# Altium PCB fmuvxX-baseT1.PcbDoc (part 2 of 5) (continued)
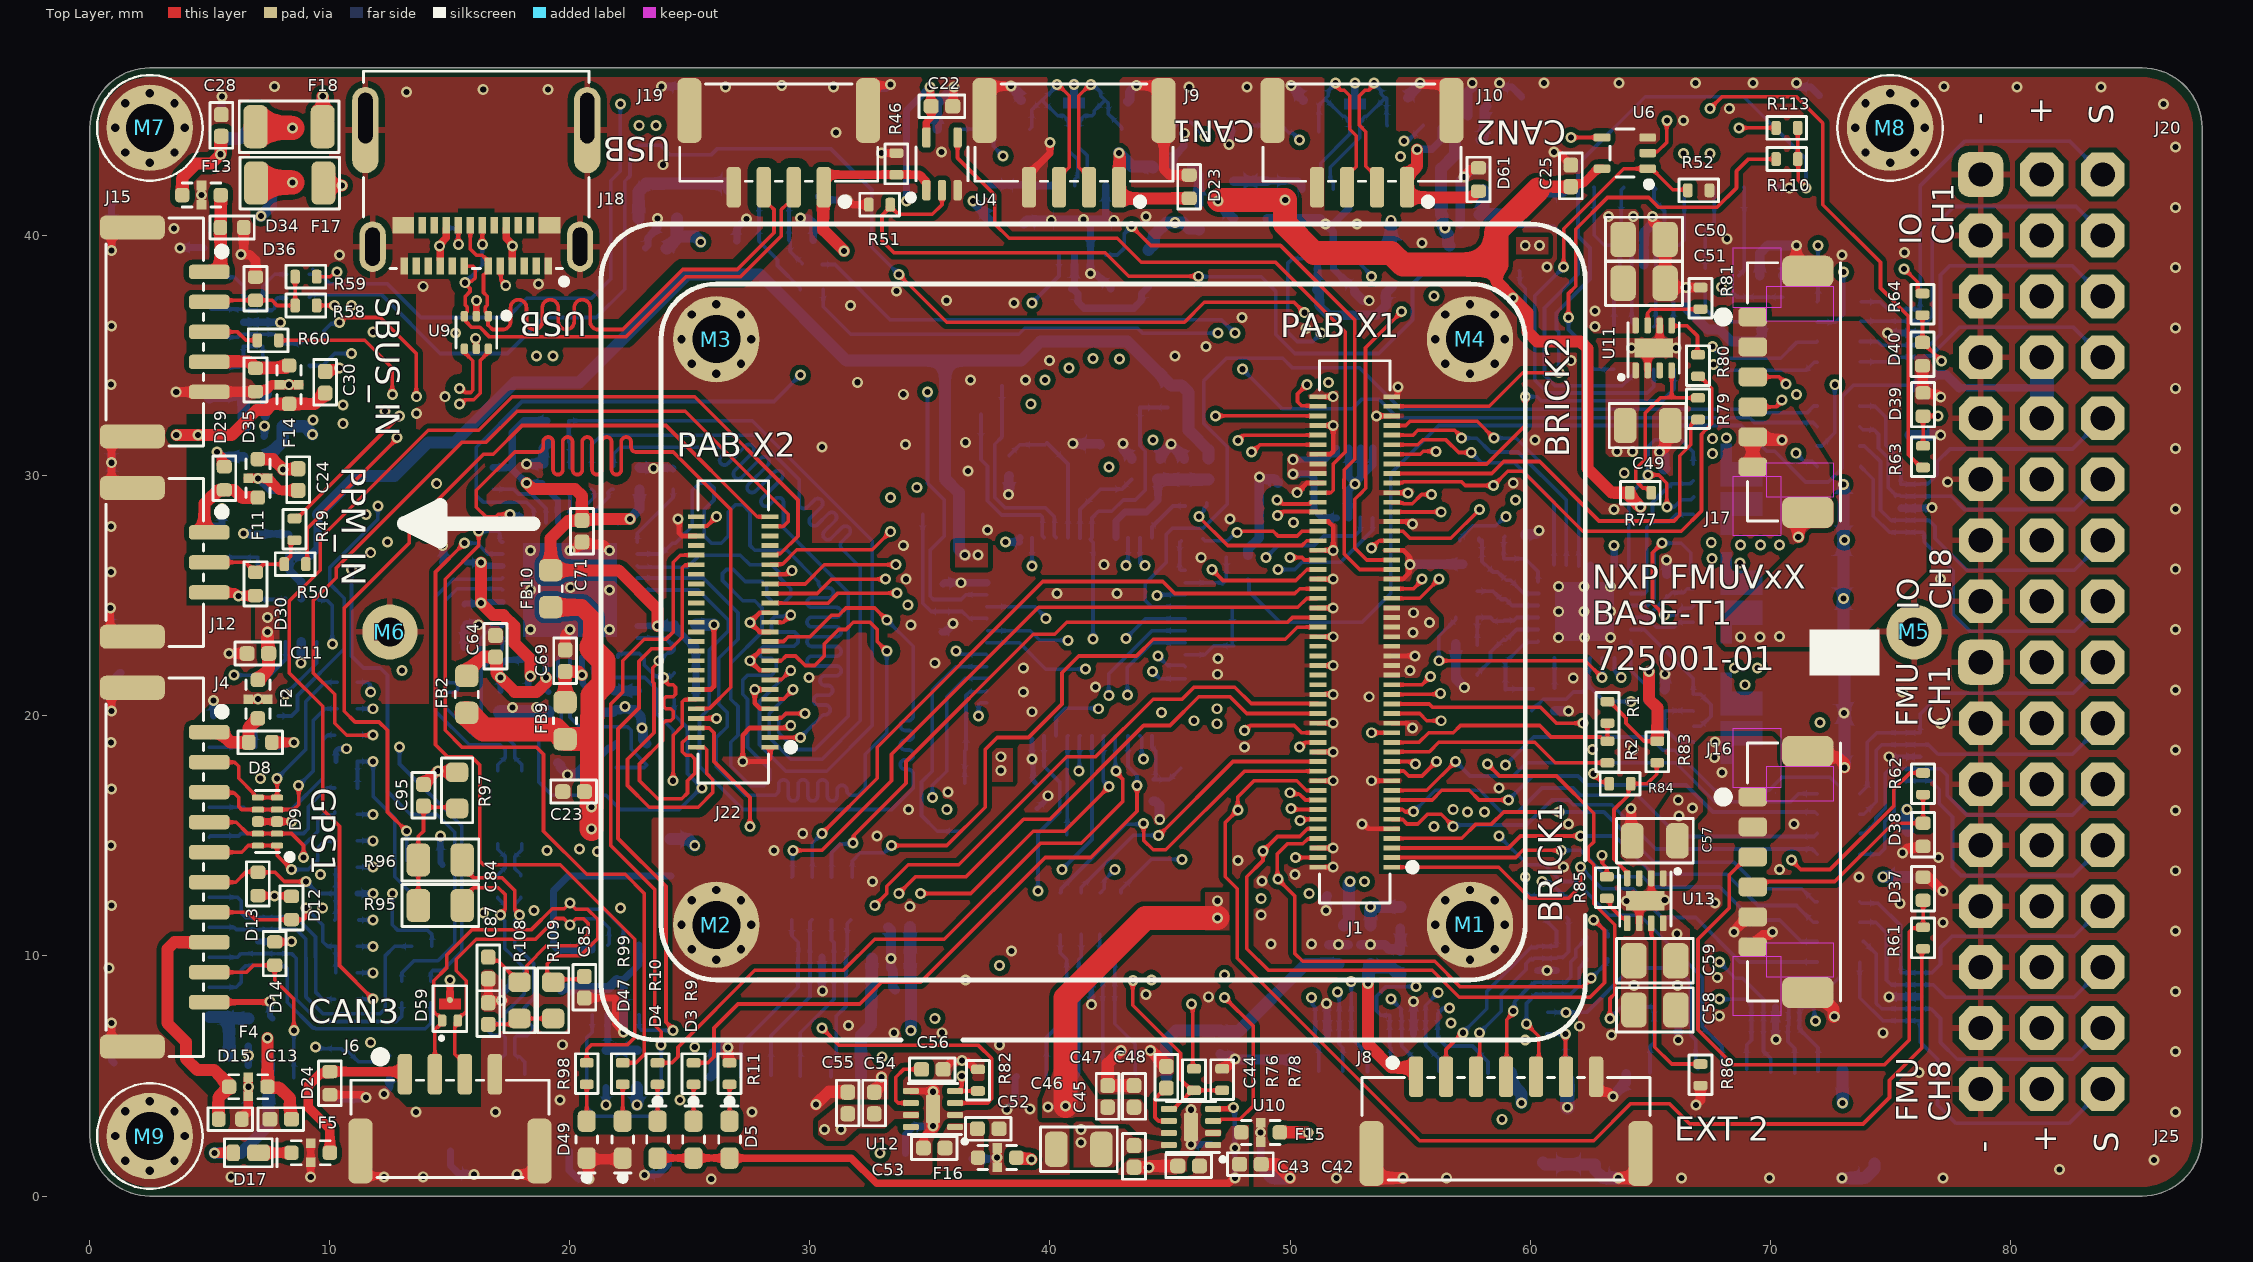
[diagram p0: Top Layer view]
## Part data (continued)
C93 C94: library part CAP_0U1_50V_X7R_0402, Manufacturer="TDK Corporation", Manufacturer Part Number=C1005X7R1H104K050BB, Operating Temperature="-55°C ~ 125°C", Supplier Part Number 1=445-5932-1-ND, Tolerance=±10%, Voltage - Rated=50V, Category=Capacitors, ComponentLink1Description=https://www.digikey.com/en/products/detail/tdk-corporation/C1005X7R1H104K050BB/2443410, ComponentLink1URL=https://www.digikey.com/en/products/detail/tdk-corporation/C1005X7R1H104K050BB/2443410, Packaging="Cut Tape (CT)", Part Status=Active, Pricing 1="1=0.12 (USD)", Stock 1=4733244, Supplier 1=Digi-Key
D1 D2 D7 D9 D11 D19 D21 D26 D27 D33 D43 D44 D45 D46 D53 D54: library part DIODE_TVS_4X_10UDFN, Manufacturer="ON Semiconductor", Manufacturer Part Number=ESD7104MUTAG, Operating Temperature="-55°C ~ 125°C (TJ)", Supplier Part Number 1=ESD7104MUTAGOSCT-ND, Category="Circuit Protection", ComponentLink1Description=https://www.digikey.com/product-detail/en/on-semiconductor/ESD7104MUTAG/ESD7104MUTAGOSCT-ND/3487538, ComponentLink1URL=https://www.digikey.com/product-detail/en/on-semiconductor/ESD7104MUTAG/ESD7104MUTAGOSCT-ND/3487538, Packaging="Cut Tape (CT)", Part Status=Active, Pricing 1="1=0.63, 10=0.541, 100=0.40370, 500=0.31716, 1000=0.24508 (USD)", Stock 1=5750, Supplier 1=Digi-Key
D3: library part DIODE_LED_BLUE_0603, Color=BLUE, Manufacturer="Lite-On Inc.", Manufacturer Part Number=LTST-C191TBKT, Supplier Part Number 1=160-1647-1-ND, Category=Optoelectronics, ComponentLink1Description=http://optoelectronics.liteon.com/upload/download/DS22-2000-228/LTST-C191KGKT.PDF, ComponentLink1URL=http://optoelectronics.liteon.com/upload/download/DS22-2000-228/LTST-C191KGKT.PDF, ComponentLink2Description=https://www.digikey.com/product-detail/en/lite-on-inc/LTST-C191TBKT/160-1647-1-ND/573587, ComponentLink2URL=https://www.digikey.com/product-detail/en/lite-on-inc/LTST-C191TBKT/160-1647-1-ND/573587, Packaging="Cut Tape (CT)", Part Status=Active, Pricing 1="1=0.53, 10=0.384, 25=0.2964, 100=0.196 (USD)", Stock 1=403566, Supplier 1=Digi-Key
D4 D49: library part DIODE_LED_ORANGE_0603, Color=ORANGE, Manufacturer="Lite-On Inc.", Manufacturer Part Number=LTST-C191KFKT, Supplier Part Number 1=160-1445-1-ND, Category=Optoelectronics, ComponentLink1Description=http://optoelectronics.liteon.com/upload/download/DS22-2000-228/LTST-C191KGKT.PDF, ComponentLink1URL=http://optoelectronics.liteon.com/upload/download/DS22-2000-228/LTST-C191KGKT.PDF, ComponentLink2Description=https://www.digikey.com/product-detail/en/lite-on-inc/LTST-C191KFKT/160-1445-1-ND/386832, ComponentLink2URL=https://www.digikey.com/product-detail/en/lite-on-inc/LTST-C191KFKT/160-1445-1-ND/386832, Packaging="Cut Tape (CT)", Part Status=Active, Pricing 1="1=0.34, 10=0.253, 25=0.1872, 100=0.1353 (USD)", Stock 1=146932, Supplier 1=Digi-Key
D5 D47: library part DIODE_LED_GREEN_0603, Color=GREEN, Manufacturer="Lite-On Inc.", Manufacturer Part Number=LTST-C191KGKT, Supplier Part Number 1=160-1446-1-ND, Category=Optoelectronics, ComponentLink1Description=http://optoelectronics.liteon.com/upload/download/DS22-2000-228/LTST-C191KGKT.PDF, ComponentLink1URL=http://optoelectronics.liteon.com/upload/download/DS22-2000-228/LTST-C191KGKT.PDF, ComponentLink2Description=https://www.digikey.com/product-detail/en/lite-on-inc/LTST-C191KGKT/160-1446-1-ND/386834, ComponentLink2URL=https://www.digikey.com/product-detail/en/lite-on-inc/LTST-C191KGKT/160-1446-1-ND/386834, Packaging="Cut Tape (CT)", Part Status=Active, Pricing 1="1=0.34, 10=0.253, 25=0.1872, 100=0.1353 (USD)", Stock 1=2166001, Supplier 1=Digi-Key
D6 D8 D10 D12 D13 D14 D15 D18 D20 D22 D23 D24 D25 D28 D29 D30 D31 D32 D34 D35 D36 D37 D38 D39 D40 D55 D56 D57 D61: library part DIODE_TVS_0402, Manufacturer="Littelfuse Inc.", Manufacturer Part Number=PESD0402-140, Operating Temperature="-55°C ~ 125°C (TJ)", Supplier Part Number 1=PESD0402-140CT-ND, Category="Circuit Protection", ComponentLink1Description=https://www.digikey.com/products/en/circuit-protection/tvs-diodes/144?k=PESD0402-140&k=&pkeyword=PESD0402-140&pv7=2&sf=0&quantity=&ColumnSort=0&page=1&pageSize=25, ComponentLink1URL=https://www.digikey.com/products/en/circuit-protection/tvs-diodes/144?k=PESD0402-140&k=&pkeyword=PESD0402-140&pv7=2&sf=0&quantity=&ColumnSort=0&page=1&pageSize=25, Packaging="Cut Tape (CT)", Part Status=Active, Pricing 1="10000=0.13154, 30000=0.12096 (USD)", Stock 1=281442, Supplier 1=Digi-Key
D16 D17 D60: library part DIODE_SCHOTTKY_20V_2A_DFN1608D-2, Current=2A, Manufacturer="Nexperia USA Inc.", Manufacturer Part Number=PMEG2020EPK,315, Supplier Part Number 1=1727-1338-1-ND, Voltage=20V, Category="Discrete Semiconductor Products", ComponentLink1Description=https://www.digikey.com/en/products/detail/nexperia-usa-inc/PMEG2020EPK-315/4020972, ComponentLink1URL=https://www.digikey.com/en/products/detail/nexperia-usa-inc/PMEG2020EPK-315/4020972, Packaging="Cut Tape (CT)", Part Status=Active, Pricing 1="1=0.51 (USD)", Stock 1=0, Supplier 1=Digi-Key
D41 D42: library part DIODE_SCHOTTKY_LOW_VF_40V_500MA_SOD323F, Current=500mA, Manufacturer="Nexperia USA Inc.", Manufacturer Part Number=PMEG4005EJ,115, Supplier Part Number 1=1727-3877-1-ND, Voltage=40V, Category="Discrete Semiconductor Products", ComponentLink1Description=https://www.digikey.com/products/en/discrete-semiconductor-products/diodes-rectifiers-single/280?k=PMEG4005EJ%2C115&k=&pkeyword=PMEG4005EJ%2C115&pv7=2&sf=0&quantity=&ColumnSort=0&page=1&pageSize=25, ComponentLink1URL=https://www.digikey.com/products/en/discrete-semiconductor-products/diodes-rectifiers-single/280?k=PMEG4005EJ%2C115&k=&pkeyword=PMEG4005EJ%2C115&pv7=2&sf=0&quantity=&ColumnSort=0&page=1&pageSize=25, Packaging="Cut Tape (CT)", Part Status=Active, Pricing 1="1=0.5, 10=0.38, 100=0.2414, 500=0.16946, 1000=0.1335 (USD)", Stock 1=0, Supplier 1=Digi-Key
D48: library part DIODE_TVS_DUAL_ETHERNET_TO236AB, Manufacturer="Nexperia USA Inc.", Manufacturer Part Number=PESD2ETH1G-TR, Supplier Part Number 1=1727-PESD2ETH1G-CT-ND, Category="Discrete Semiconductor Products", ComponentLink1Description=https://www.digikey.com/en/products/detail/nexperia-usa-inc/PESD2ETH1G-TR/11487055?s=N4IgTCBcDaIA4FMDOATMCAuALAjAcwFoMQBdAXyA, ComponentLink1URL=https://www.digikey.com/en/products/detail/nexperia-usa-inc/PESD2ETH1G-TR/11487055?s=N4IgTCBcDaIA4FMDOATMCAuALAjAcwFoMQBdAXyA, Packaging="Cut Tape (CT)", Part Status=Active, Pricing 1="1=0.40 (USD)", Stock 1=0, Supplier 1=Digi-Key
D52: library part DIODE_SCHOTTKY_BAS70_SOD523_SMT, Current=70mA, Manufacturer=STMicroelectronics, Manufacturer Part Number=BAS70KFILM, Supplier Part Number 1=497-5695-1-ND, Voltage=70V, Category="Discrete Semiconductor Products", ComponentLink1Description=https://www.digikey.com/product-detail/en/stmicroelectronics/BAS70KFILM/497-5695-1-ND/1299948, ComponentLink1URL=https://www.digikey.com/product-detail/en/stmicroelectronics/BAS70KFILM/497-5695-1-ND/1299948, Packaging="Cut Tape (CT)", Part Status=Active, Pricing 1="1=0.28, 10=0.23, 100=0.122, 500=0.08028, 1000=0.05459 (USD)", Stock 1=20067, Supplier 1=Digi-Key
D58 D59 D62: library part DIODE_TVS_DUAL_24VWM_42VC_DFN1110D-3, Current=2.6A, Manufacturer="Nexperia USA Inc.", Manufacturer Part Number=PESD2CANFD24V-QBZ, Supplier Part Number 1=1727-PESD2CANFD24V-QBZCT-ND, Voltage=42V, Category="Discrete Semiconductor Products", ComponentLink1Description=https://www.digikey.com/en/products/detail/nexperia-usa-inc/PESD2CANFD24V-QBZ/13898295?s=N4IgTCBcDaIAoFEDKARMBhAggOQGJoBYA1AWgEUAhEAXQF8g, ComponentLink1URL=https://www.digikey.com/en/products/detail/nexperia-usa-inc/PESD2CANFD24V-QBZ/13898295?s=N4IgTCBcDaIAoFEDKARMBhAggOQGJoBYA1AWgEUAhEAXQF8g, Packaging="Cut Tape (CT)", Part Status=Active, Pricing 1="1=0.44 (USD)", Stock 1=11955, Supplier 1=Digi-Key
F1 F2 F3 F4 F5 F6 F7 F8 F9 F10 F11 F12 F13 F14 F15 F16 F21: library part FILTER_0.1uF_16V_2A_NO_VIA_0603, Manufacturer="Murata Electronics North America", Manufacturer Part Number=NFM18PC104R1C3D, Operating Temperature="-55°C ~ 125°C", Supplier Part Number 1=490-6969-1-ND, Tolerance=±20%, Voltage - Rated=16V, Category=Filters, ComponentLink1Description=https://www.digikey.com/products/en/filters/feed-through-capacitors/845?k=NFM18PC104R1C3D&k=&pkeyword=NFM18PC104R1C3D&pv7=2&sf=0&quantity=&ColumnSort=0&page=1&pageSize=25, ComponentLink1URL=https://www.digikey.com/products/en/filters/feed-through-capacitors/845?k=NFM18PC104R1C3D&k=&pkeyword=NFM18PC104R1C3D&pv7=2&sf=0&quantity=&ColumnSort=0&page=1&pageSize=25, Packaging="Cut Tape (CT)", Part Status=Active, Pricing 1="1=0.19, 10=0.173, 25=0.1652, 50=0.1598, 100=0.1544, 250=0.1464, 500=0.12246, 1000=0.09503 (USD)", Stock 1=172860, Supplier 1=Digi-Key
F17 F18: library part FUSE_PTC_250MA_SMD, Current Hold=250mA, Manufacturer="Bel Fuse Inc.", Manufacturer Part Number=0ZCJ0025FF2E, Operating Temperature="-40°C ~ 85°C", Package / Case="1206 (3216 Metric), Concave", Supplier Part Number 1=507-1798-1-ND, Voltage - Max=16V, Approvals="cURus, TUV", Category="Circuit Protection", ComponentLink1Description=https://www.digikey.com/products/en/circuit-protection/ptc-resettable-fuses/150?k=ZCJ0025FF2E&k=&pkeyword=ZCJ0025FF2E&pv7=2&sf=0&quantity=&ColumnSort=0&page=1&pageSize=25, ComponentLink1URL=https://www.digikey.com/products/en/circuit-protection/ptc-resettable-fuses/150?k=ZCJ0025FF2E&k=&pkeyword=ZCJ0025FF2E&pv7=2&sf=0&quantity=&ColumnSort=0&page=1&pageSize=25, Mounting Type="Surface Mount", Packaging="Cut Tape (CT)", Part Status=Active, Pricing 1="1=0.21, 5=0.2, 10=0.191, 50=0.1706, 100=0.1588, 250=0.14112, 500=0.1176, 1000=0.11172 (USD)", RoHS="RoHS Compliant", Size / Dimension="0.128\" L x 0.065\" W (3.25mm x 1.65mm)", Stock 1=24334, Supplier 1=Digi-Key, Thickness (Max)="0.047\" (1.20mm)", Type=Polymeric
F19: library part FILTER_CMC_100uH_150mA_2LN_SMD, Current - Rated=150mA, Manufacturer="TDK Corporation", Manufacturer Part Number=ACT1210D-101-2P-TL00, Operating Temperature="-55°C ~ 150°C", Supplier Part Number 1=445-ACT1210D-101-2P-TL00CT-ND, Voltage - Rated=5V, Category=Filters, ComponentLink1Description=https://www.digikey.com/en/products/detail/tdk-corporation/act1210d-101-2p-tl00/13672016, ComponentLink1URL=https://www.digikey.com/en/products/detail/tdk-corporation/act1210d-101-2p-tl00/13672016, Packaging="Cut Tape (CT)", Part Status=Active, Pricing 1="1=1.88 (USD)", Stock 1=9046, Supplier 1=Digi-Key
FB1: library part IND_FERRITE_600@100M_300mA_0402, Current=300mA, Manufacturer="Murata Electronics North America", Manufacturer Part Number=BLM15HG601SN1D, Operating Temperature="-55°C ~ 125°C", Supplier Part Number 1=490-3998-1-ND, Category=Inductors, ComponentLink1Description=https://www.digikey.com/products/en?keywords=490-3998-1-ND, ComponentLink1URL=https://www.digikey.com/products/en?keywords=490-3998-1-ND, Packaging="Cut Tape (CT)", Part Status=Active, Pricing 1="1=0.19, 10=0.145, 25=0.1204, 50=0.1036, 100=0.0933, 250=0.0788, 500=0.0705, 1000=0.06013 (USD)", Stock 1=330529, Supplier 1=Digi-Key
FB2 FB9 FB10: library part IND_FERRITE_600OHM@100M_500mA_0603, Current=500mA, Manufacturer="Murata Electronics North America", Manufacturer Part Number=BLM18AG601BH1D, Operating Temperature="-55°C ~ 150°C", Supplier Part Number 1=490-7809-1-ND, Category=Inductors, ComponentLink1Description=https://www.digikey.com/en/products/detail/murata-electronics/BLM18AG601BH1D/6156010?s=N4IgTCBcDaIEYBsC2BGAHAQwOYDYAMKcAFigCYgC6AvkA, ComponentLink1URL=https://www.digikey.com/en/products/detail/murata-electronics/BLM18AG601BH1D/6156010?s=N4IgTCBcDaIEYBsC2BGAHAQwOYDYAMKcAFigCYgC6AvkA, Packaging="Cut Tape (CT)", Part Status=Active, Pricing 1="1=0.12 (USD)", Stock 1=39046, Supplier 1=Digi-Key
FB3 FB4 FB5 FB6 FB7 FB8: library part IND_FERRITE_120@100M_3A_0603, Current=3A, Manufacturer="Murata Electronics", Manufacturer Part Number=BLM18KG121TZ1D, Operating Temperature="-55°C ~ 125°C", Supplier Part Number 1=490-16500-1-ND, Category=Inductors, ComponentLink1Description=https://www.digikey.com/en/products/detail/murata-electronics/BLM18KG121TZ1D/7363244?s=N4IgTCBcDaIEYBsC2BGAHAawOYrCgLgF4ogC6AvkA, ComponentLink1URL=https://www.digikey.com/en/products/detail/murata-electronics/BLM18KG121TZ1D/7363244?s=N4IgTCBcDaIEYBsC2BGAHAawOYrCgLgF4ogC6AvkA, Packaging="Cut Tape (CT)", Part Status=Active, Pricing 1="1=0.11 (USD)", Stock 1=0, Supplier 1=Digi-Key
J1: library part CONN_RCPT_2X50_RECPT_0.4MM_SMD, Manufacturer="Hirose Electric Co Ltd", Manufacturer Part Number=DF40HC(3.0)-100DS-0.4V(58), Operating Temperature="-65°C ~ 85°C", Supplier Part Number 1=H124602CT-ND, Category="Connectors, Interconnects", ComponentLink1Description=https://www.digikey.com/products/en/connectors-interconnects/rectangular-connectors-arrays-edge-type-mezzanine-board-to-board/308?k=df40hc%283.0%29-100&k=&pkeyword=df40hc%283.0%29-100&sv=0&pv7=2&sf=0&quantity=&ColumnSort=0&page=1&pageSize=25, ComponentLink1URL=https://www.digikey.com/products/en/connectors-interconnects/rectangular-connectors-arrays-edge-type-mezzanine-board-to-board/308?k=df40hc%283.0%29-100&k=&pkeyword=df40hc%283.0%29-100&sv=0&pv7=2&sf=0&quantity=&ColumnSort=0&page=1&pageSize=25, Mated Stacking Heights=3mm, Mounting Type="Surface Mount", Number of Positions=100, Number of Rows=2, Packaging="Cut Tape (CT)", Part Status=Active, Pitch="0.016\" (0.40mm)", Pricing 1="1=2.75 (USD)", Stock 1=2220, Supplier 1=Digi-Key, System=Connector
J2 J23: library part CONN_JST_SH_10PIN_RA_SMT, Manufacturer="JST Sales America Inc.", Manufacturer Part Number=SM10B-SRSS-TB(LF)(SN), Operating Temperature="-25°C ~ 85°C", Supplier Part Number 1=455-1810-1-ND, Voltage - Rated=50V, Category="Connectors, Interconnects", ComponentLink1Description=https://www.digikey.com/products/en/connectors-interconnects/rectangular-connectors-headers-male-pins/314?k=SM10B-SRSS&k=&pkeyword=SM10B-SRSS&pv1989=0&sf=0&FV=ffe0013a%2C1c0002&quantity=&ColumnSort=0&page=1&pageSize=25, ComponentLink1URL=https://www.digikey.com/products/en/connectors-interconnects/rectangular-connectors-headers-male-pins/314?k=SM10B-SRSS&k=&pkeyword=SM10B-SRSS&pv1989=0&sf=0&FV=ffe0013a%2C1c0002&quantity=&ColumnSort=0&page=1&pageSize=25, Packaging="Cut Tape (CT)", Part Status=Active, Pricing 1="1=1.06, 10=9.32, 100=0.8037, 500=0.65758, 1000=0.58452 (USD)", Stock 1=62595, Supplier 1=Digi-Key, System=Connector
J3 J5 J7: library part CONN_JST_GH_6PIN_RA_SMT, Manufacturer="JST Sales America Inc.", Manufacturer Part Number=SM06B-GHS-TB(LF)(SN), Operating Temperature="-25°C ~ 85°C", Supplier Part Number 1=455-1568-1-ND, Voltage - Rated=50V, Category="Connectors, Interconnects", ComponentLink1Description=https://www.digikey.com/products/en/connectors-interconnects/rectangular-connectors-headers-male-pins/314?k=sm06b-ghs&k=&pkeyword=sm06b-ghs&pv7=2&sf=0&quantity=&ColumnSort=0&page=1&pageSize=25, ComponentLink1URL=https://www.digikey.com/products/en/connectors-interconnects/rectangular-connectors-headers-male-pins/314?k=sm06b-ghs&k=&pkeyword=sm06b-ghs&pv7=2&sf=0&quantity=&ColumnSort=0&page=1&pageSize=25, Packaging="Cut Tape (CT)", Part Status=Active, Pricing 1="1=0.56, 10=0.524, 100=0.4019, 500=0.34948, 1000=0.28832 (USD)", Stock 1=86653, Supplier 1=Digi-Key, System=Connector
J4: library part CONN_JST_GH_10PIN_RA_SMT, Manufacturer="JST Sales America Inc.", Manufacturer Part Number=SM10B-GHS-TB(LF)(SN), Operating Temperature="-25°C ~ 85°C", Supplier Part Number 1=455-1572-1-ND, Voltage - Rated=50V, Category="Connectors, Interconnects", ComponentLink1Description=https://www.digikey.com/products/en/connectors-interconnects/rectangular-connectors-headers-male-pins/314?k=sm10b-gh&k=&pkeyword=sm10b-gh&pv7=2&sf=0&quantity=&ColumnSort=0&page=1&pageSize=25, ComponentLink1URL=https://www.digikey.com/products/en/connectors-interconnects/rectangular-connectors-headers-male-pins/314?k=sm10b-gh&k=&pkeyword=sm10b-gh&pv7=2&sf=0&quantity=&ColumnSort=0&page=1&pageSize=25, Packaging="Cut Tape (CT)", Part Status=Active, Pricing 1="1=0.67, 10=0.631, 100=0.4838, 500=0.42068, 1000=0.34705 (USD)", Stock 1=58307, Supplier 1=Digi-Key, System=Connector
J6 J9 J10 J19 J24: library part CONN_JST_GH_4PIN_RA_SMT, Manufacturer="JST Sales America Inc.", Manufacturer Part Number=SM04B-GHS-TB(LF)(SN), Operating Temperature="-25°C ~ 85°C", Supplier Part Number 1=455-1566-1-ND, Voltage Rating=50V, Category="Connectors, Interconnects", ComponentLink1Description=https://www.digikey.com/products/en/connectors-interconnects/rectangular-connectors-headers-male-pins/314?k=SM04B-GHS-TB%28LF%29%28SN%29-&k=&pkeyword=SM04B-GHS-TB%28LF%29%28SN%29-&pv7=2&sf=0&quantity=&ColumnSort=0&page=1&pageSize=25, ComponentLink1URL=https://www.digikey.com/products/en/connectors-interconnects/rectangular-connectors-headers-male-pins/314?k=SM04B-GHS-TB%28LF%29%28SN%29-&k=&pkeyword=SM04B-GHS-TB%28LF%29%28SN%29-&pv7=2&sf=0&quantity=&ColumnSort=0&page=1&pageSize=25, Packaging="Cut Tape (CT)", Part Status=Active, Pricing 1="1=0.45, 10=0.423, 100=0.3244, 500=0.28212, 1000=0.23274 (USD)", Stock 1=109892, Supplier 1=Digi-Key, System=Connector
J8: library part CONN_JST_GH_7PIN_RA_SMT, Manufacturer="JST Sales America Inc.", Manufacturer Part Number=SM07B-GHS-TB(LF)(SN), Operating Temperature="-25°C ~ 85°C", Supplier Part Number 1=455-1569-1-ND, Voltage - Rated=50V, Category="Connectors, Interconnects", ComponentLink1Description=https://www.digikey.com/product-detail/en/jst-sales-america-inc/SM07B-GHS-TB-LF-SN/455-1569-1-ND/807837, ComponentLink1URL=https://www.digikey.com/product-detail/en/jst-sales-america-inc/SM07B-GHS-TB-LF-SN/455-1569-1-ND/807837, Packaging="Cut Tape (CT)", Part Status=Active, Pricing 1="1=0.59, 10=0.548, 100=0.4205, 500=0.36564 1000=0.30165 (USD)", Stock 1=37832, Supplier 1=Digi-Key, System=Connector
J11: library part CONN_JST_GH_11PIN_RA_SMT, Manufacturer="JST Sales America Inc.", Manufacturer Part Number=SM11B-GHS-TB(LF)(SN), Operating Temperature="-25°C ~ 85°C", Supplier Part Number 1=455-1573-1-ND, Voltage - Rated=50V, Category="Connectors, Interconnects", ComponentLink1Description=https://www.digikey.com/products/en/connectors-interconnects/rectangular-connectors-headers-male-pins/314?k=sm11b-ghs&k=&pkeyword=sm11b-ghs&pv7=2&sf=0&quantity=&ColumnSort=0&page=1&pageSize=25, ComponentLink1URL=https://www.digikey.com/products/en/connectors-interconnects/rectangular-connectors-headers-male-pins/314?k=sm11b-ghs&k=&pkeyword=sm11b-ghs&pv7=2&sf=0&quantity=&ColumnSort=0&page=1&pageSize=25, Packaging="Cut Tape (CT)", Part Status=Active, Pricing 1="1=0.67, 10=0.631, 100=0.4838, 500=0.42068, 1000=0.34705 (USD)", Stock 1=659, Supplier 1=Digi-Key, System=Connector
J12 J13: library part CONN_JST_GH_3PIN_RA_SMT, Manufacturer="JST Sales America Inc.", Manufacturer Part Number=SM03B-GHS-TB(LF)(SN), Operating Temperature="-25°C ~ 85°C", Supplier Part Number 1=455-1565-1-ND, Voltage - Rated=50V, Category="Connectors, Interconnects", ComponentLink1Description=https://www.digikey.com/products/en/connectors-interconnects/rectangular-connectors-headers-male-pins/314?k=sm03b-gh&k=&pkeyword=sm03b-gh&pv7=2&sf=0&quantity=&ColumnSort=0&page=1&pageSize=25, ComponentLink1URL=https://www.digikey.com/products/en/connectors-interconnects/rectangular-connectors-headers-male-pins/314?k=sm03b-gh&k=&pkeyword=sm03b-gh&pv7=2&sf=0&quantity=&ColumnSort=0&page=1&pageSize=25, Packaging="Cut Tape (CT)", Part Status=Active, Pricing 1="1=0.44, 10=0.413, 100=0.316, 500=0.27502, 1000=0.22689 (USD)", Stock 1=3338, Supplier 1=Digi-Key, System=Connector
J14: library part CONN_JST_GH_8PIN_RA_SMT, Manufacturer="JST Sales America Inc.", Manufacturer Part Number=SM08B-GHS-TB(LF)(SN), Operating Temperature="-25°C ~ 85°C", Supplier Part Number 1=455-1570-1-ND, Voltage - Rated=50V, Category="Connectors, Interconnects", ComponentLink1Description=https://www.digikey.com/products/en/connectors-interconnects/rectangular-connectors-headers-male-pins/314?k=sm08b-GHS&k=&pkeyword=sm08b-GHS&sv=0&pv7=2&sf=0&quantity=&ColumnSort=0&page=1&pageSize=25, ComponentLink1URL=https://www.digikey.com/products/en/connectors-interconnects/rectangular-connectors-headers-male-pins/314?k=sm08b-GHS&k=&pkeyword=sm08b-GHS&sv=0&pv7=2&sf=0&quantity=&ColumnSort=0&page=1&pageSize=25, Packaging="Cut Tape (CT)", Part Status=Active, Pricing 1="1=0.59, 10=0.549, 100=0.4208, 500=0.36594, 1000=0.30191 (USD)", Stock 1=90523, Supplier 1=Digi-Key, System=Connector
J15: library part CONN_JST_GH_5PIN_RA_SMT, Manufacturer="JST Sales America Inc.", Manufacturer Part Number=SM05B-GHS-TB(LF)(SN), Operating Temperature="-25°C ~ 85°C", Supplier Part Number 1=455-1567-1-ND, Voltage - Rated=50V, Category="Connectors, Interconnects", ComponentLink1Description=https://www.digikey.com/products/en/connectors-interconnects/rectangular-connectors-headers-male-pins/314?k=sm05b-gh&k=&pkeyword=sm05b-gh&pv7=2&sf=0&quantity=&ColumnSort=0&page=1&pageSize=25, ComponentLink1URL=https://www.digikey.com/products/en/connectors-interconnects/rectangular-connectors-headers-male-pins/314?k=sm05b-gh&k=&pkeyword=sm05b-gh&pv7=2&sf=0&quantity=&ColumnSort=0&page=1&pageSize=25, Packaging="Cut Tape (CT)", Part Status=Active, Pricing 1="1=0.44, 10=0.413, 100=0.3163, 500=0.27502, 1000=0.22689 (USD)", Stock 1=32934, Supplier 1=Digi-Key, System=Connector
J16 J17: library part CONN_HDR_1X6_RCPT_1.25MM_VERT_SMT, Manufacturer="Molex, LLC", Manufacturer Part Number=5055680681, Operating Temperature="-40°C ~ 105°C", Supplier Part Number 1=WM26835CT-ND, Voltage - Rated=50V, Category="Connectors, Interconnects", ComponentLink1Description=https://www.digikey.com/products/en/connectors-interconnects/rectangular-connectors-headers-male-pins/314?k=5055680681&k=&pkeyword=5055680681&sv=0&pv7=2&sf=0&quantity=&ColumnSort=0&page=1&pageSize=25, ComponentLink1URL=https://www.digikey.com/products/en/connectors-interconnects/rectangular-connectors-headers-male-pins/314?k=5055680681&k=&pkeyword=5055680681&sv=0&pv7=2&sf=0&quantity=&ColumnSort=0&page=1&pageSize=25, ID="MICRO-LOCK PLUS", Packaging="Cut Tape (CT)", Part Status=Active, Pricing 1="1=1.05 (USD)", Stock 1=4793, Supplier 1=Digi-Key, System=Connector
J18: library part CONN_RCPT_24POS_USB-C_RA-3_SMD, Manufacturer="Molex, LLC", Manufacturer Part Number=2012670005, Operating Temperature="-40°C ~ 105°C", Supplier Part Number 1=WM17992CT-ND, Voltage - Rated=30VAC/DC, Category="Connectors, Interconnects", ComponentLink1Description=https://www.digikey.com/product-detail/en/molex/2012670005/WM17992CT-ND/8593492, ComponentLink1URL=https://www.digikey.com/product-detail/en/molex/2012670005/WM17992CT-ND/8593492, ID=USB-C, Packaging="Cut Tape (CT)", Part Status=Active, Pricing 1="1=2.58 (USD)", Stock 1=58789, Supplier 1=Digi-Key, System=Connector
J20 J25: library part CONN_HDR_3X8RA_TH, Manufacturer=Samtec, Manufacturer Part Number=TSW-108-08-T-T-RA, Operating Temperature="-55°C ~ 125°C", Supplier Part Number 1=TSW-108-08-T-T-RA-ND, Voltage - Rated=-, Category="Connectors, Interconnects", ComponentLink1Description=https://www.digikey.com/product-detail/en/samtec-inc/TSW-108-08-T-T-RA/TSW-108-08-T-T-RA-ND/7869165, ComponentLink1URL=https://www.digikey.com/product-detail/en/samtec-inc/TSW-108-08-T-T-RA/TSW-108-08-T-T-RA-ND/7869165, Packaging=Bulk, Part Status=Active, Pricing 1="1=1.53 (USD)", Stock 1=302, Supplier 1=Digi-Key, System=Connector
J21: library part CONN_JST_GH_2PIN_RA_SMT, Manufacturer="JST Sales America Inc.", Manufacturer Part Number=SM02B-GHS-TB(LF)(SN), Operating Temperature="-25°C ~ 85°C", Supplier Part Number 1=455-1564-1-ND, Voltage - Rated=50V, Category="Connectors, Interconnects", ComponentLink1Description=https://www.digikey.com/products/en/connectors-interconnects/rectangular-connectors-headers-male-pins/314?k=sm02b&k=&pkeyword=sm02b&sv=0&pv7=2&s=2395&pv1989=0&sf=0&FV=ffe0013a&quantity=&ColumnSort=0&page=1&pageSize=25, ComponentLink1URL=https://www.digikey.com/products/en/connectors-interconnects/rectangular-connectors-headers-male-pins/314?k=sm02b&k=&pkeyword=sm02b&sv=0&pv7=2&s=2395&pv1989=0&sf=0&FV=ffe0013a&quantity=&ColumnSort=0&page=1&pageSize=25, Packaging="Cut Tape (CT)", Part Status=Active, Pricing 1="1=0.44, 10=0.413, 100=0.316, 500=0.27502, 1000=0.22689 (USD)", Stock 1=90823, Supplier 1=Digi-Key, System=Connector
J22: library part CONN_RCPT_2X25_RECPT_0.4MM_SMD, Manufacturer="Hirose Electric Co Ltd", Manufacturer Part Number=DF40HC(3.0)-50DS-0.4V(51), Operating Temperature="-65°C ~ 85°C", Supplier Part Number 1=H11915CT-ND, Category="Connectors, Interconnects", ComponentLink1Description=https://www.digikey.com/products/en/connectors-interconnects/rectangular-connectors-arrays-edge-type-mezzanine-board-to-board/308?k=DF40HC%283.0%29-50DS-0.4V%2851%29&k=&pkeyword=DF40HC%283.0%29-50DS-0.4V%2851%29&sv=0&pv7=2&sf=0&quantity=&ColumnSort=0&page=1&pageSize=25, ComponentLink1URL=https://www.digikey.com/products/en/connectors-interconnects/rectangular-connectors-arrays-edge-type-mezzanine-board-to-board/308?k=DF40HC%283.0%29-50DS-0.4V%2851%29&k=&pkeyword=DF40HC%283.0%29-50DS-0.4V%2851%29&sv=0&pv7=2&sf=0&quantity=&ColumnSort=0&page=1&pageSize=25, Mated Stacking Heights=3mm, Mounting Type="Surface Mount", Number of Positions=50, Number of Rows=2, Packaging="Cut Tape (CT)", Part Status=Active, Pitch="0.016\" (0.40mm)", Pricing 1="1=1.05, 10=0.926, 25=0.8712, 50=0.835, 100=0.7986, 250=0.726, 500=0.6534, 1000=0.5808 (USD)", Stock 1=8712, Supplier 1=Digi-Key, System=Connector
M1 M2 M3 M4 M7 M8 M9: library part MOUNT_HOLE_2MM_3.6MM_8VIAS_TH, Category=Mechanical, ID=2.0MM
M5 M6: library part MOUNT_HOLE_1.2MM_TH, Category=Mechanical, ID=1.2MM
Q1: library part TRAN_MOSFET_N-CH_AO3400A_SMT, Current=5.7A, Manufacturer="Alpha & Omega Semiconductor Inc.", Manufacturer Part Number=AO3400A, Supplier Part Number 1=785-1000-1-ND, Voltage=30V, Category="Discrete Semiconductor Products", ComponentLink1Description=https://www.digikey.com/products/en/discrete-semiconductor-products/transistors-fets-mosfets-single/278?k=&pkeyword=&pv2068=u30V&pv608=2552&sf=0&FV=ffe00116%2Cfffc0311%2C1c0002&quantity=&ColumnSort=0&page=1&pageSize=25, ComponentLink1URL=https://www.digikey.com/products/en/discrete-semiconductor-products/transistors-fets-mosfets-single/278?k=&pkeyword=&pv2068=u30V&pv608=2552&sf=0&FV=ffe00116%2Cfffc0311%2C1c0002&quantity=&ColumnSort=0&page=1&pageSize=25, Packaging="Cut Tape (CT)", Part Status=Active, Pricing 1="1=0.49, 10=0.354, 100=0.2359, 500=0.14414, 1000=0.11356 (USD)", Stock 1=545345, Supplier 1=Digi-Key
Q2: library part TRAN_MOSFET_N-CH_BSS138W_SMT, Current=210mA, Manufacturer="ON Semiconductor", Manufacturer Part Number=BSS138W, Supplier Part Number 1=BSS138WCT-ND, Voltage=50V, Category="Discrete Semiconductor Products", ComponentLink1Description=https://www.digikey.com/product-detail/en/on-semiconductor/BSS138W/BSS138WCT-ND/3907886, ComponentLink1URL=https://www.digikey.com/product-detail/en/on-semiconductor/BSS138W/BSS138WCT-ND/3907886, Packaging="Cut Tape (CT)", Part Status=Active, Pricing 1="1=0.43 (USD)", Stock 1=2599, Supplier 1=Digi-Key
Q3 Q4 Q5: library part TRAN_MOSFET_DUAL_PCHANNEL_PowerPAK, Current - Continuous Drain (Id) @ 25°C=6A, Drain to Source Voltage (Vdss)=20V, Manufacturer="Vishay Siliconix", Manufacturer Part Number=SIS903DN-T1-GE3, Operating Temperature="-55°C ~ 150°C (TJ)", Supplier Part Number 1=SIS903DN-T1-GE3CT-ND, Category="Discrete Semiconductor Products", ComponentLink1Description=https://www.digikey.com/products/en/discrete-semiconductor-products/transistors-fets-mosfets-arrays/289?k=sis903dn&k=&pkeyword=sis903dn&sv=0&pv7=2&sf=0&quantity=&ColumnSort=0&page=1&pageSize=25, ComponentLink1URL=https://www.digikey.com/products/en/discrete-semiconductor-products/transistors-fets-mosfets-arrays/289?k=sis903dn&k=&pkeyword=sis903dn&sv=0&pv7=2&sf=0&quantity=&ColumnSort=0&page=1&pageSize=25, Packaging="Cut Tape (CT)", Part Status=Active, Pricing 1="1=1.01 (USD)", RoHS="RoHS Compliant", Stock 1=0, Supplier 1=Digi-Key
R1: library part RES_115K_1%_1/16W_0402, Manufacturer="Vishay Dale", Manufacturer Part Number=CRCW0402115KFKED, Operating Temperature="-55°C ~ 155°C", Power=1/16W, Supplier Part Number 1=541-115KLCT-ND, Tolerance=±1%, Category=Resistors, ComponentLink1Description=https://www.digikey.com/products/en/resistors/chip-resistor-surface-mount/52?k=&pkeyword=&sv=0&v=541&pv2085=u115+kOhms&sf=0&FV=2%7C7854%2C3%7C1131%2C7%7C2%2C1989%7C0%2C-8%7C52%2C174%7C411742&quantity=&ColumnSort=0&page=1&pageSize=25, ComponentLink1URL=https://www.digikey.com/products/en/resistors/chip-resistor-surface-mount/52?k=&pkeyword=&sv=0&v=541&pv2085=u115+kOhms&sf=0&FV=2%7C7854%2C3%7C1131%2C7%7C2%2C1989%7C0%2C-8%7C52%2C174%7C411742&quantity=&ColumnSort=0&page=1&pageSize=25, Packaging="Cut Tape (CT)", Part Status=Active, Pricing 1="1=0.1, 10=0.014, 100=0.0056, 1000=0.00253, 2500=0.0022, 5000=0.00181 (USD)", Stock 1=32374, Supplier 1=Digi-Key
R2: library part RES_38.3K_1%_1/16W_0402, Manufacturer=Yageo, Manufacturer Part Number=RC0402FR-0738K3L, Operating Temperature="-55°C ~ 155°C", Power=1/16W, Supplier Part Number 1=YAG3141CT-ND, Tolerance=±1%, Category=Resistors, ComponentLink1Description=https://www.digikey.com/products/en/resistors/chip-resistor-surface-mount/52?k=RC0402FR-0738K3L&k=&pkeyword=RC0402FR-0738K3L&sv=0&pv7=2&sf=0&quantity=&ColumnSort=0&page=1&pageSize=25, ComponentLink1URL=https://www.digikey.com/products/en/resistors/chip-resistor-surface-mount/52?k=RC0402FR-0738K3L&k=&pkeyword=RC0402FR-0738K3L&sv=0&pv7=2&sf=0&quantity=&ColumnSort=0&page=1&pageSize=25, Packaging="Cut Tape (CT)", Part Status=Active, Pricing 1="1=0.1, 10=0.014, 100=0.0056, 1000=0.00253, 2500=0.0022, 5000=0.00181 (USD)", Stock 1=92389, Supplier 1=Digi-Key